# Altium PCB 400236.PcbDoc (part 5 of 5)
Units mm, origin at the board's own origin, x right, y up, seen from the top; angles counter-clockwise.
Board outline 136.53 x 63.5 mm, 4 copper layers (Top Layer, Mid-Layer 1, Mid-Layer 2, Bottom Layer), stack 1.505 mm thick; 340 components, 230 nets, 1369 pads, 1292 vias.
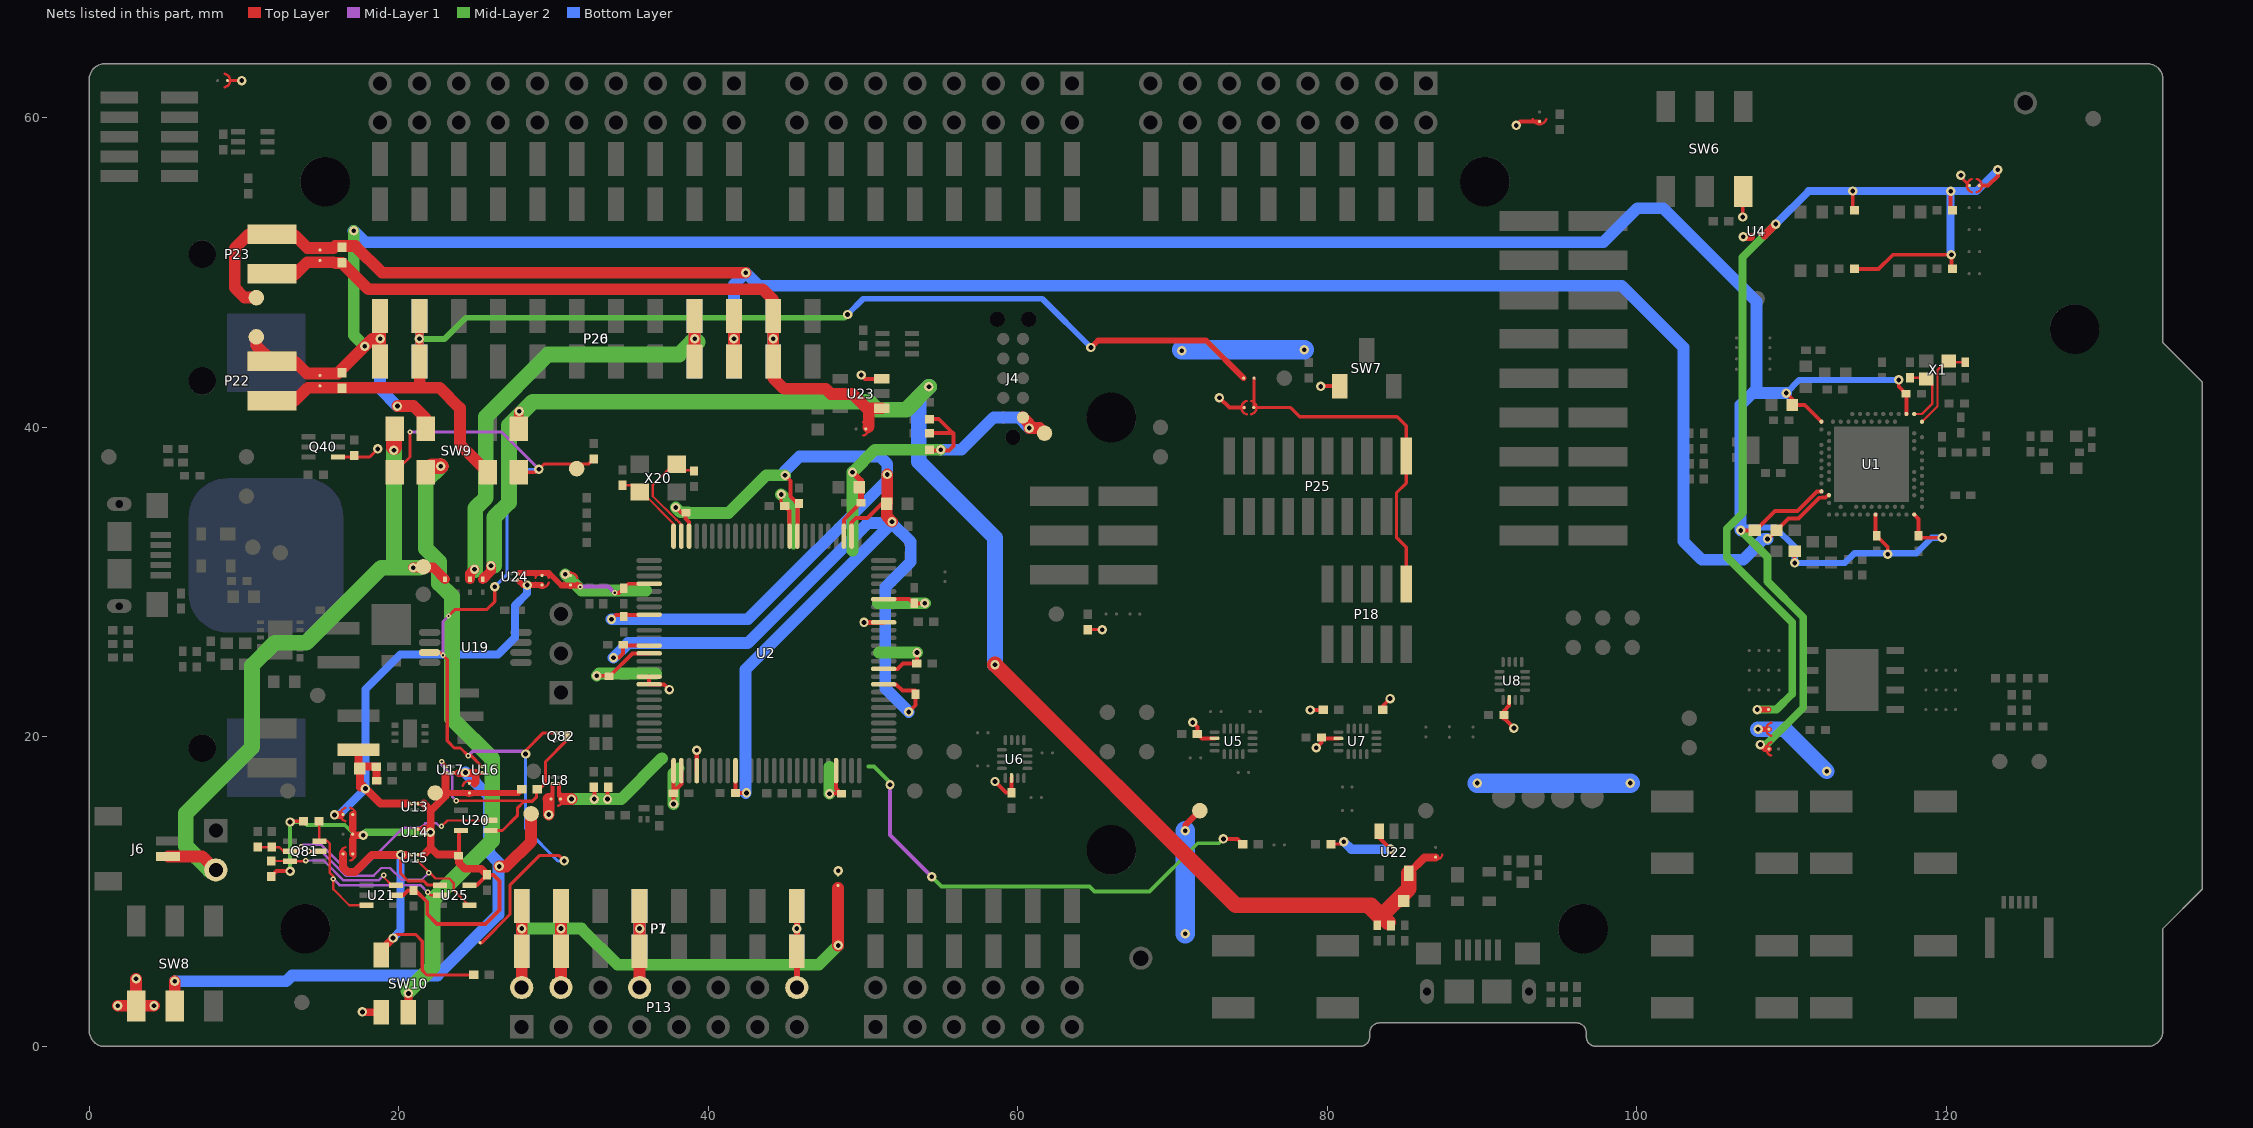
[diagram p7: the nets of this part, all layers, seen from the top]

## Via types
v1: diameter 0.61, hole 0.305, Top Layer to Bottom Layer, tented both sides, 1088 vias
v2: diameter 0.35, hole 0.15, Top Layer to Mid-Layer 1, tented both sides, 180 vias
v3: diameter 0.61, hole 0.305, Top Layer to Bottom Layer, 24 vias

## Nets (pads, with @x,y where several pads share a name; then routed paths per layer and width w, separated by ;. In a path a pad name is that pad's centre, name@x,y a point inside that pad or via, vN(x,y) a via of type N, cw(c..) or ccw(c..) an arc to the next point about the centre after c; other vN are vias at no path point) (continued)
VBUS_NRF': C68.2 C91.2 D81.2 FB60.2 SB80.2 SW9.8 U22.5 | length 100
  Top Layer w0.508: U22.5@85.253,11.198 86.272,12.217 SB80.2@86.995,12.217
  Top Layer w0.635: D81.2@25.425,30.186 25.959,30.719 v1(25.959,31.064) ; SW9.8@27.749,39.906 27.749,41.008 v1(27.788,41.046)
  Top Layer w1.016: v1(58.522,24.673) 74.076,9.119 82.634,9.119 ; 83.497,8.44 85.253,10.196 U22.5@85.253,11.198 ; 83.666,8.271 83.315,8.621 83.223,8.529 82.634,9.119 ; FB60.2@83.91,8.026 82.818,9.119 82.634,9.119
  Mid-Layer 2 w1.016: v1@26.162,31.064 26.162,34.188 27.127,35.154 27.127,40.132 28.651,41.656 50.368,41.656 50.876,41.148 52.781,41.148 v1(54.254,42.621)
  Bottom Layer w1.016: v1(54.254,42.621) 53.594,41.961 53.594,37.795 58.522,32.868 v1(58.522,24.673)
VCORE: C24.2 C26.2 C32.1 C33.2 C35.2 C39.2 C40.2 U2.9 U2.34 U2.52 U2.59 U2.73 U2.83 U2.87 | length 120.1
  Top Layer w0.254: v1(33.747,27.598) 34.038,27.889 U2.83@36.168,27.889 ; v1(33.874,25.121) 34.232,25.121 34.501,25.389 C24.2@34.501,25.959 ; C24.2@34.67,25.9 U2.87@36.179,25.9 ; v1(37.897,34.823) 38.227,34.493 C32.1@38.531,34.493 ; C32.1@38.555,34.493 C32.1@38.531,34.493 ; U2.73@38.754,32.975 38.754,33.89 38.531,34.113 C32.1@38.531,34.493 ; C33.2@41.75,16.383 v1(42.469,16.383) ; C33.2@41.754,16.4 U2.9@41.754,17.825 ; v1(44.958,36.906) 45.314,36.551 45.314,35.525 45.466,35.373 C35.2@45.808,35.031 ; U2.59@45.754,32.975 45.754,34.977 C35.2@45.808,35.031 ; C35.2@45.862,35.085 C35.2@45.808,35.031 ; U2.52@49.254,32.975 49.254,33.861 49.531,34.138 50.292,34.138 51.232,35.077 C39.2@51.522,35.077 ; U2.34@51.329,23.4 52.13,23.4 52.543,22.987 C40.2@53.338,22.987 ; v1(52.949,21.615) 53.381,22.047 C40.2@53.381,22.766 ; C40.2@53.363,22.827 C40.2@53.363,22.987
  Top Layer w0.762: v1(51.562,36.957) 51.562,35.117 C39.2@51.522,35.077 51.522,34.254 v1(51.867,33.909)
  Mid-Layer 2 w0.762: v1(37.897,34.823) 38.202,34.519 38.718,34.519 38.769,34.468 41.3,34.468 43.739,36.906 v1(44.958,36.906)
  Bottom Layer w0.762: v1(33.747,27.598) 42.558,27.598 51.562,36.601 v1(51.562,36.957) 51.562,37.643 51.079,38.125 45.898,38.125 44.958,37.186 v1(44.958,36.906) ; v1(33.874,25.121) 34.813,26.06 42.535,26.06 50.292,33.817 v1@51.867,33.817 ; v1@42.416,16.383 42.408,16.391 42.408,24.359 v1@51.867,33.817 ; v1(52.949,21.615) 51.425,23.139 51.425,29.671 53.076,31.322 53.076,32.608 v1@51.867,33.817
VDBG: P18.1 P25.1 SB59.1 SB60.1 | length 23
  Top Layer w0.203: SB60.1@75.268,43.18 75.268,41.607 75.268,41.3 SB59.1@75.242,41.275 75.417,41.275 77.622,41.275 78.207,40.691 84.506,40.691 85.09,40.107 P25.1@85.09,38.145 85.09,36.398 84.455,35.763 84.455,32.893 85.09,32.258 P18.1@85.09,29.89
VDD: C42.2 C45.2 C48.2 C50.2 Q40.4 R41.1 R52.1 R53.1 R54.2 R68.2 SB9.1 SB17.1 SB31.1 SB37.2 SB38.2 SB47.1 SB59.2 SW6.6 SW7.3 SW8.3 SW10.6 TP37.1 U4.A2 U5.14 U6.14 U7.14 U8.14 U18.A2 U22.3 U23.3 | length 69.9
  Top Layer w0.2: SB47.1@8.923,62.408 v1(9.855,62.408) ; Q40.4@16.063,38.085 18.121,38.085 v1(18.644,38.608) ; R68.2@64.516,26.932 v1(65.448,26.932) ; R54.2@80.231,13.081 80.899,13.081 v1(81.051,13.233) ; v1(120.929,56.286) 120.929,56.179 SB9.1@121.489,55.619
  Top Layer w0.254: 29.941,15.992 U18.A2@29.941,16.95 ; v1(49.886,43.383) 50.129,43.139 U23.3@51.21,43.139 ; v1(58.522,17.12) 59.241,16.4 C45.2@59.588,16.4 59.592,16.404 U6.14@59.592,17.342 ; v1(71.306,20.938) 71.306,20.922 71.595,20.633 C42.2@71.595,20.193 71.88,19.907 U5.14@72.707,19.907 ; v1(73.025,41.91) 73.66,41.275 74.443,41.275 SB59.2@74.618,41.275 ; v1@78.892,21.717 78.918,21.742 R53.1@79.739,21.742 ; v1(79.273,19.304) 79.621,19.652 C48.2@79.621,19.964 79.675,19.91 U7.14@80.715,19.91 ; v1(79.578,42.647) 79.597,42.665 SW7.3@80.8,42.665 ; U22.3@83.353,13.898 83.353,13.472 v1(84.074,12.751) ; R52.1@83.583,21.742 83.583,22.014 v1(84.049,22.479) v1@84.074,22.504 ; C50.2@91.389,21.192 91.508,21.311 C50.2@91.407,21.412 ; U8.14@91.748,22.397 91.737,22.386 91.737,22.021 91.407,21.69 C50.2@91.407,21.412 ; v1(92.05,20.574) 91.411,21.213 91.407,21.217 C50.2@91.407,21.412 ; v1(92.202,59.512) 92.448,59.759 SB31.1@93.701,59.759 ; v1(106.832,53.594) 106.832,54.948 SW6.6@106.869,54.984 ; 107.292,52.225 U4.A2@107.537,52.47
  Top Layer w0.381: v1(70.815,13.945) 70.815,14.3 TP37.1@71.755,15.24 ; v1(107.823,20.498) 108.352,20.498 SB17.1@108.527,20.498
  Top Layer w0.508: v1(17.653,2.235) 17.674,2.214 SW10.6@18.875,2.214 ; v1@106.858,52.299 107.366,52.299
  Top Layer w0.762: v1(1.848,2.628) v1(4.185,2.628) ; SW8.3@3.027,2.559 v1(3.027,4.369) ; 29.679,15.992 29.693,15.979 v1(29.693,14.986)
  Bottom Layer w0.61: v1(81.051,13.233) 81.534,12.751 v1(84.074,12.751)
  Bottom Layer w1.016: v1(107.823,20.498) 109.55,20.498 v1(112.268,17.78)
  Bottom Layer w1.27: v1@70.587,45.009 v1(78.511,45.009) ; v1(70.815,7.29) v1(70.815,13.945) ; v1(89.687,17.018) v1(99.568,17.018)
  other v1: 48.387,11.354 78.892,21.742 70.587,44.958 106.858,52.324
VDD_HV: C19.1 P20.10 P23.1 P26.10 R91.2 SB41.1 TP25.1 U1.Y2 | length 134.4
  Top Layer w0.25: v1@108.562,32.708 108.562,32.891 C19.1@109.014,33.342 109.783,34.112 110.447,34.112 111.793,35.458 111.989,35.458 112.179,35.459 112.337,35.617 U1.Y2@112.414,35.617
  Top Layer w0.762: TP25.1@10.795,48.387 10.033,48.387 9.398,49.022 9.398,51.562 10.306,52.47 P23.1@11.811,52.47 ; P23.1@11.811,52.4 13.284,52.4 14.089,51.595 15.781,51.595 15.9,51.714 17.196,51.714 18.923,49.987 v1(42.418,49.987) ; P20.10@41.656,44.255 v1(41.656,45.72) P20.10@41.656,47.185
  Bottom Layer w0.762: P26.10@41.656,44.255 v1(41.656,45.72) P26.10@41.656,47.185 41.656,49.225 v1(42.418,49.987) 43.256,49.149 99.023,49.149 102.997,45.175 102.997,32.639 104.188,31.448 106.863,31.448 108.206,32.791 v1(108.433,32.791)
VDD_HV': P20.11 P23.2 P26.11 R91.1 SB41.2 SB81.1 U23.1 | length 50.7
  Top Layer w0.762: P23.2@11.811,49.86 13.284,49.86 14.089,50.665 15.781,50.665 ; 15.91,50.613 16.349,50.613 18.042,48.92 43.51,48.92 44.196,48.235 P20.11@44.196,47.185 v1(44.196,45.72) P20.11@44.196,44.255 44.196,43.18 44.882,42.494 47.585,42.494 47.915,42.164 49.301,42.164 50.226,41.239 ; 50.333,40.016 50.368,40.051 50.368,41.097 50.226,41.239 ; U23.1@51.21,41.239 50.226,41.239
  Bottom Layer w0.762: P26.11@44.196,44.255 v1(44.196,45.72) P26.11@44.196,47.185
VDD_NRF: C6.1 C7.1 C8.1 C12.1 C14.1 L4.1 P20.1 P22.1 P26.1 R90.2 SB18.1 SB40.1 SW9.6 TP24.1 U1.A22 U1.AD14 U1.AD23 U1.B1 U1.W1 | length 200.6
  Top Layer w0.25: v1(106.714,33.342) C6.1@107.613,33.342 107.664,33.342 108.916,34.595 110.371,34.595 111.641,35.865 U1.W1@111.914,35.865 ; v1(109.639,42.217) 110.039,41.817 C14.1@110.039,41.444 110.837,41.444 U1.B1@111.914,40.367 ; v1@110.189,31.117 L4.1@110.189,31.992 ; C7.1@115.414,32.992 U1.AD14@115.414,34.367 ; C7.1@115.49,32.992 116.205,32.277 v1@116.205,32.004 ; v1(116.915,43.067) 116.915,42.641 C12.1@117.389,42.167 117.414,42.142 U1.A22@117.414,40.867 ; U1.AD23@117.914,34.367 118.189,34.092 C8.1@118.189,32.992 118.313,32.868 v1(119.71,32.868)
  Top Layer w0.381: v1(107.975,19.507) 108.255,19.228 108.352,19.228 SB18.1@108.527,19.228
  Top Layer w0.762: TP24.1@10.795,45.847 10.795,45.286 P22.1@11.811,44.27 13.284,44.27 14.064,43.49 16.058,43.49 v1(17.805,45.237) 18.288,45.72 v1(18.796,45.72) ; P20.1@18.796,44.255 v1(18.796,45.72) ; P20.1@18.796,47.185 v1(18.796,45.72) ; v1(19.914,41.377) 20.955,41.377 21.749,40.583 SW9.6@21.749,39.906
  Mid-Layer 2 w0.508: v1(106.714,33.342) 108.433,31.623 108.433,30.048 110.744,27.737 110.744,21.895 108.356,19.507 v1(107.975,19.507)
  Mid-Layer 2 w0.762: v1@17.094,52.685 17.094,45.949 v1(17.805,45.237)
  Bottom Layer w0.4: v1(106.714,33.342) 106.894,33.522 108.946,33.522 110.189,32.28 v1@110.189,31.318 ; v1(109.639,42.217) 110.489,43.067 v1@116.839,43.067 ; v1(110.189,31.244) 113.427,31.244 114.054,31.871 118.054,31.871 119.05,32.868 v1(119.71,32.868)
  Bottom Layer w0.762: v1(17.084,52.71) 17.838,51.956 97.828,51.956 100.025,54.153 101.702,54.153 107.729,48.126 107.729,42.493 ; P26.1@18.796,47.185 v1(18.796,45.72) P26.1@18.796,44.255 18.796,42.494 v1(19.914,41.377) ; v1(106.714,33.342) 106.692,33.364 106.692,41.456 107.729,42.493 ; v1(109.639,42.217) 107.729,42.217 107.729,42.493
  other v1: 116.205,31.801
VDD_NRF': P20.2 P22.2 P26.2 R90.1 SB40.2 SB60.2 SW9.3 | length 82.3
  Top Layer w0.381: v1(64.719,45.161) 65.176,45.618 72.154,45.618 SB60.2@74.592,43.18
  Top Layer w0.508: P20.2@21.336,44.255 v1(21.336,45.72) P20.2@21.336,47.185
  Top Layer w0.762: P22.2@11.811,41.73 13.284,41.73 14.115,42.561 21.361,42.561 ; P20.2@21.336,44.255 21.361,44.23 21.361,42.561 ; SW9.3@25.749,37.106 23.952,38.903 23.952,41.25 22.641,42.561 21.361,42.561
  Mid-Layer 2 w0.381: v1(21.336,45.72) 22.963,45.72 24.325,47.081 48.783,47.081 v1(48.997,47.295)
  Bottom Layer w0.381: v1(48.997,47.295) 50.013,48.311 61.57,48.311 v1(64.719,45.161)
  Bottom Layer w0.508: P26.2@21.336,44.255 v1(21.336,45.72) P26.2@21.336,47.185
VDD_NRF_SENSE: Q82.1 R88.1 SB58.1 SW9.1 SW9.4 TP33.1 U16.B2 U19.3 | length 67.2
  Top Layer w0.203: SW9.1@19.749,37.106 20.726,38.084 v2(20.726,39.7) ; U19.3@21.993,25.456 22.677,25.456 v2(22.86,25.273) 23.129,25.004 23.129,19.747 23.591,19.284 23.987,19.284 v2(24.486,18.786) 24.673,18.786 U16.B2@25.378,18.082 ; v2(23.216,27.813) 23.647,28.245 25.705,28.245 26.2,28.74 v1(26.2,29.705) ; SB58.1@25.255,6.706 25.356,6.706 27.178,8.528 27.178,10.408 29.117,12.347 30.325,12.347 v1(30.683,11.989) ; SW9.4@27.749,37.106 28.877,37.106 v1(29.058,37.287) 29.413,37.643 32.275,37.643 R88.1@32.588,37.956 ; v1(28.194,18.898) 28.194,19.126 29.333,20.266 Q82.1@30.155,20.266
  Mid-Layer 1 w0.203: v2(20.726,39.7) 26.645,39.7 v1(29.058,37.287) ; v2(22.86,25.273) 22.86,27.457 v2(23.216,27.813) ; v2(24.486,18.786) 24.775,19.075 28.016,19.075 v1(28.194,18.898)
  Bottom Layer w0.203: v1(26.2,29.705) 27,30.505 27,36.297 27.991,37.287 v1(29.058,37.287) ; v1(28.194,18.898) 28.194,14.078 30.283,11.989 v1(30.683,11.989)
VDD_PER: R47.2 R48.2 R50.2 R51.2 SB9.2 SB16.1 U4.A1 | length 71
  Top Layer w0.25: U4.A1@107.95,52.476 108.235,52.476
  Top Layer w0.254: R50.2@113.94,50.353 R50.2@114.059,50.234 115.614,50.234 116.535,51.156 v1(120.316,51.156) 120.316,50.302 R51.2@120.384,50.234 ; 113.94,54.443 v1(113.94,55.271) 113.94,54.163 R47.2@114.059,54.044 ; v1(120.265,55.264) 120.265,54.163 R48.2@120.384,54.044 ; SB9.2@122.114,55.619 122.289,55.619 122.684,55.619 123.317,56.252 v1(123.317,56.642)
  Top Layer w0.381: v1(107.772,21.768) SB16.1@108.501,21.768
  Top Layer w0.508: 108.229,52.4 v1(108.966,53.137)
  Mid-Layer 2 w0.508: v1(107.772,21.768) 109.017,21.768 110.033,22.784 110.033,27.395 105.804,31.623 105.804,33.44 106.819,34.455 106.819,50.99 v1(108.966,53.137)
  Bottom Layer w0.508: v1(108.966,53.137) 111.093,55.264 v1(120.265,55.264) ; v1@120.265,51.156 v1(120.265,55.264) ; v1(123.317,56.642) 121.939,55.264 v1(120.265,55.264)
VDD_SAM: C25.2 C31.2 C34.2 C36.2 C37.2 C38.2 C41.2 C43.2 J4.1 R20.2 R21.2 R49.2 R64.2 R65.2 R66.2 SB37.1 SB49.1 TP35.1 U2.1 U2.2 U2.4 U2.22 U2.36 U2.42 U2.45 U2.53 U2.60 U2.88 U2.91 U2.92 U18.A1 | length 117.8
  Top Layer w0.152: U2.88@36.179,25.4 U2.88@36.347,25.4
  Top Layer w0.203: v1(44.704,35.67) 44.704,35.161 C34.2@44.94,34.925
  Top Layer w0.254: 30.347,16.196 30.347,16.407 U18.A1@30.347,16.958 ; v1@32.636,16.002 R20.2@32.636,16.747 ; v1(32.791,23.952) 33.645,23.952 35.093,25.4 U2.88@36.179,25.4 ; v1(33.486,15.985) R21.2@33.486,16.747 ; U2.91@36.179,23.9 U2.92@36.179,23.4 37.151,23.4 v1(37.489,23.062) ; U2.1@37.754,17.825 37.754,16.358 37.756,16.356 v1(37.756,15.666) ; C31.2@37.76,16.459 38.254,16.954 U2.2@38.254,17.825 ; C34.2@44.94,34.925 45.254,34.611 U2.60@45.254,32.975 ; v1(47.828,16.332) C36.2@48.598,16.332 48.254,16.676 U2.22@48.254,17.825 ; U2.53@48.754,32.975 48.754,34.032 49.017,34.295 49.763,35.041 C37.2@49.763,35.128 ; U2.36@51.329,24.4 52.228,24.4 52.568,24.74 C41.2@53.465,24.74 53.482,24.757 v1(53.482,25.451) ; U2.42@51.329,27.4 U2.42@51.348,27.381 ; U2.45@51.329,28.9 52.98,28.9 C43.2@53.17,28.71 ; C43.2@53.305,28.634 v1(53.99,28.634) ; R64.2@54.293,38.557 R64.2@54.297,38.557 54.297,38.506 55.55,38.506 55.829,38.786 55.829,39.599 55.804,39.624 ; R65.2@54.293,39.624 R65.2@54.297,39.624 55.804,39.624 ; R66.2@54.297,40.538 54.889,40.538 55.804,39.624 ; v1(73.279,13.411) 74.201,13.411 R49.2@74.532,13.081
  Top Layer w0.305: U2.4@39.254,17.825 v1(39.254,19.146) ; v1(50.059,27.4) U2.42@51.329,27.4
  Top Layer w0.381: v1(49.317,37.109) 49.868,36.559 C37.2@49.868,35.128
  Top Layer w0.762: 30.678,15.992 v1(31.16,15.992) ; J4.1@60.325,40.64 60.731,40.234 v1(60.731,39.954) 61.417,39.954 TP35.1@61.747,39.624
  Mid-Layer 1 w0.254: v1(51.74,16.916) 51.74,13.665 v1(54.432,10.973)
  Mid-Layer 2 w0.254: 50.343,18.085 50.698,18.085 51.74,17.043 v1(51.74,16.916) ; v1(54.432,10.973) 55.07,10.335 64.625,10.335 64.94,10.02 68.513,10.02 71.622,13.129 72.997,13.129 v1(73.279,13.411)
  Mid-Layer 2 w0.762: v1(30.759,30.505) 31.801,29.464 35.992,29.464 ; v1@31.16,15.985 v1(33.486,15.985) 34.377,15.985 37.004,18.612 ; v1(32.791,23.952) 32.937,24.098 36.623,24.098 ; v1(37.756,15.666) 37.756,17.639 38.075,17.958 ; v1(44.704,35.67) 45.513,34.861 45.513,32.48 ; v1(47.828,16.332) 47.828,18.053 ; 49.317,32.045 v1(49.317,37.109) 50.765,38.557 v1(55.008,38.557) ; 50.948,28.634 v1(53.99,28.634) ; 51.024,25.451 v1(53.482,25.451)
  Bottom Layer w0.762: v1(55.008,38.557) 56.354,38.557 58.437,40.64 60.046,40.64 v1(60.731,39.954)
  other v1: 32.636,15.985
VDD_UTMI: C28.2 SB48.1 SB49.2 U2.79 U24.A1 | length 9.2
  Top Layer w0.254: v2@31.681,29.787 v2@31.775,29.693 ; v2(33.95,29.312) 34.237,29.312 C28.2@34.534,29.608 ; C28.2@34.542,29.616 34.826,29.9 U2.79@36.179,29.9
  Top Layer w0.381: 27.788,30.596 29.704,30.596 30.513,29.787 30.757,29.787 31.422,29.787 v2@31.681,29.787
  Mid-Layer 1 w0.254: v2@31.725,29.718 33.543,29.718 v2(33.95,29.312)
  other v2: 31.725,29.693
VEXT: R92.1 SB36.2 SW10.3 U15.A1 U25.1 | length 24.1
  Top Layer w0.203: SW10.3@18.875,5.914 SW10.3@18.875,6.251 ; 19.84,7.241 21.08,7.241 21.514,6.807 21.514,4.928 21.819,4.623 R92.1@24.849,4.623 ; v1(20.117,12.382) 20.117,11.176 20.599,10.693 21.615,10.693 21.88,10.429 U25.1@22.672,10.429
  Top Layer w0.245: 20.498,12.392 U15.A1@20.831,12.392
  Top Layer w0.508: SB36.2@16.393,12.446 16.393,12.183 16.403,12.173 16.403,12.159 ; 16.403,12.159 16.403,11.563 16.688,11.278 17.17,11.278 18.275,12.382 v1(20.117,12.382) 20.488,12.382 ; SW10.3@18.875,6.251 v1(19.634,7.01)
  Bottom Layer w0.508: v1(19.634,7.01) 20.117,7.493 v1(20.117,12.382)
VEXT_EN: Q81.5 U15.B2 U25.4 | length 14.5
  Top Layer w0.152: v2(14.199,12.624) Q81.5@14.869,12.624 ; U15.B2@21.231,11.992 22.367,10.856 23.256,10.856 23.546,10.566 23.546,10.104 U25.4@24.521,9.129
  Mid-Layer 1 w0.152: v2(14.199,12.624) 14.979,12.624 16.564,11.039 18.379,11.039 18.87,11.529 19.433,11.529 20.193,10.77 21.488,10.77 v2(21.946,11.227)
VEXT_EN_INV: Q81.3 R89.2 U21.6 | length 9.1
  Top Layer w0.152: R89.2@11.76,11.981 12.962,11.981 Q81.3@12.969,11.974 13.955,11.974 v2(13.995,12.014) ; v2(19.025,11.074) 19.025,10.937 19.533,10.429 U21.6@19.822,10.429
  Mid-Layer 1 w0.152: v2(13.995,12.014) 15.157,12.014 16.437,10.734 18.684,10.734 v2(19.025,11.074)
VIN: P1.8 P7.8 P13.16 | length 8.2
  Top Layer w0.381: P13.16@45.72,3.81 P1.8@45.72,6.155 v1(45.72,7.62) P1.8@45.72,9.085
  Bottom Layer w0.381: P7.8@45.72,6.155 v1(45.72,7.62) P7.8@45.72,9.085
VIN3-5V: D83.2 P20.9 P26.9 | length 32.5
  Top Layer w0.635: D83.2@24.613,30.186 24.613,30.556 v1(24.892,30.836)
  Top Layer w0.762: P20.9@39.116,44.255 v1(39.116,45.72) P20.9@39.116,47.185
  Mid-Layer 2 w1.016: v1@24.943,30.785 24.943,34.773 25.629,35.458 25.629,40.691 29.642,44.704 38.1,44.704 38.913,45.517 v1@39.319,45.517
  Bottom Layer w0.762: P26.9@39.116,44.255 v1(39.116,45.72) P26.9@39.116,47.185
VIO: P1.1 P1.2 P1.4 P7.1 P7.2 P7.4 P13.2 P13.4 P13.8 SB38.1 | length 54.1
  Top Layer w0.381: v1(35.56,7.62) P1.4@35.56,9.085
  Top Layer w0.762: P13.2@27.94,3.81 P1.1@27.94,6.155 P1.1@27.94,9.085 ; P13.4@30.48,3.81 v1(30.48,7.62) P1.2@30.48,9.085 ; P13.8@35.56,3.81 P1.4@35.56,9.085 ; v1(48.387,6.528) 48.387,10.236
  Mid-Layer 2 w0.762: v1(27.94,7.62) v1(30.48,7.62) 31.801,7.62 34.138,5.283 35.535,5.283 ; v1(35.56,7.62) 35.56,5.309 35.535,5.283 ; v1(48.387,6.528) 47.142,5.283 35.535,5.283
  Bottom Layer w0.762: P7.1@27.94,6.155 P7.1@27.94,9.085 ; P7.2@30.48,6.155 P7.2@30.48,9.085 ; P7.4@35.56,6.155 P7.4@35.56,9.085
VLI-ION: D82.2 J6.2 P27.2 SW9.5 TP31.1 | length 44.1
  Top Layer w0.635: v1(20.93,30.937) 22.235,30.937 D82.2@22.987,30.186
  Top Layer w0.762: J6.2@5.105,12.276 7.307,12.276 P27.2@8.179,11.405
  Top Layer w1.016: v1@19.685,38.735 19.685,39.842 SW9.5@19.749,39.906
  Mid-Layer 2 w1.016: P27.2@8.179,11.405 7.772,11.405 6.236,12.941 6.236,15.05 10.516,19.329 10.516,24.613 11.989,26.086 14.021,26.086 18.872,30.937 19.685,30.937 ; v1(19.685,38.532) 19.685,30.937 ; 21.336,30.937 v1(20.93,30.937) 19.685,30.937
VREG: C87.2 C88.2 L81.2 R82.2 SB34.2 SB48.2 U13.A1 U24.A2 | length 34.2
  Top Layer w0.245: 20.498,15.694 U13.A1@20.831,15.694
  Top Layer w0.381: 27.788,30.062 27.774,30.062 28.024,29.812 v1(28.296,29.812) 28.908,29.812 SB48.2@29.235,29.812
  Top Layer w0.508: v1(15.85,14.961) 16.228,14.961 16.23,14.959 ; L81.2@17.399,19.093 17.399,18.049 C88.2@17.49,17.958 ; 17.49,16.739 C88.2@17.49,17.958 ; 17.49,17.018 v1(17.845,16.662) 18.814,15.694 20.498,15.694 ; C87.2@18.575,17.17 18.55,17.196 R82.2@18.55,18.085 17.617,18.085 C88.2@17.49,17.958
  Bottom Layer w0.508: v1(15.85,14.961) 16.144,14.961 v1(17.845,16.662) 17.845,23.078 20.091,25.324 26.406,25.324 27.508,26.426 27.508,28.499 28.296,29.286 v1(28.296,29.812)
VREG_EN: Q81.2 R83.2 R85.1 U20.2 | length 17.5
  Top Layer w0.152: R85.1@10.893,12.886 10.893,12.87 12.294,12.87 12.541,12.624 Q81.2@12.969,12.624 13.411,12.624 v2(13.691,12.903) ; v2(22.758,14.224) 23.139,14.605 U20.2@25.918,14.605
  Mid-Layer 1 w0.152: v2(13.691,12.903) 13.812,13.025 15.008,13.025 16.69,11.343 17.504,11.343 20.283,14.122 21.412,14.122 21.717,14.427 22.428,14.427 22.631,14.224 v2(22.758,14.224)
VREG_EN_INV: Q81.6 R86.2 U21.3 U25.2 | length 15
  Top Layer w0.152: R86.2@14.851,14.554 14.851,13.292 15.359,13.292 15.548,13.103 15.548,11.205 15.773,10.98 v2(15.773,10.82) 15.773,10.16 16.804,9.129 U21.3@17.922,9.129 ; v2(21.869,9.957) 22.047,9.779 U25.2@22.672,9.779
  Mid-Layer 1 w0.152: v2(15.773,10.82) 16.165,10.429 21.397,10.429 v2(21.869,9.957)
VSENSE_SW_OUT: SB39.1 SW8.2 TP30.1 U16.A2 U17.A1 | length 41.3
  Top Layer w0.25: U17.A1@23.517,17.682 23.876,17.682 ; 24.971,17.682 U16.A2@25.378,17.682
  Top Layer w0.508: 23.876,17.682 24.971,17.682 24.971,17.08 24.892,17
  Top Layer w0.762: SW8.2@5.528,2.609 v1(5.528,4.216) ; v1(26.492,11.633) 26.949,11.633 28.55,13.233 TP30.1@28.55,14.859
  Bottom Layer w0.762: v1(5.528,4.216) 12.727,4.216 13.106,4.596 22.503,4.596 26.441,8.534 26.441,11.909 25.829,12.521 25.829,16.182 v1(24.308,17.704)
VSRC_NRF: SW9.2 SW10.5 | length 40.6
  Top Layer w0.508: SW10.5@20.625,2.214 v1(20.625,3.429)
  Top Layer w1.016: SW9.2@21.749,37.106 22.133,37.49 v1(22.708,37.49)
  Mid-Layer 2 w1.016: v1@20.625,3.607 22.174,5.156 22.174,9.449 26.035,13.31 26.035,18.593 23.444,21.184 23.444,29.083 22.606,29.921 22.606,31.32 21.749,32.177 21.749,36.532 v1(22.708,37.49)
VSUPPLY: C89.2 C90.2 C93.2 R86.1 R87.1 R89.1 SB34.1 SB35.1 SB36.1 SB39.2 TP29.1 U13.A2 U14.A2 U15.A2 U17.A2 U20.5 U21.5 U25.5 | length 49.4
  Top Layer w0.245: U15.A2@21.231,12.392 21.615,12.392 ; U14.A2@21.231,14.043 21.615,14.043 ; U13.A2@21.231,15.694 21.641,15.694
  Top Layer w0.254: R89.1@11.76,10.981 12.108,11.328 v1(12.979,11.328) ; v1(12.979,14.503) 13.03,14.554 R86.1@13.851,14.554 ; U21.5@19.822,9.779 20.295,9.779 20.591,10.076 C89.2@20.955,10.076 21.09,10.076 21.842,9.324 21.842,8.562 22.481,7.922 25.601,7.922 26.497,8.819 26.497,10.688 26.111,11.074 25.722,11.074 C90.2@25.705,11.092 25.042,10.429 U25.5@24.521,10.429 ; C93.2@23.884,12.395 23.884,13.821 U20.5@24.018,13.955
  Top Layer w0.381: 23.012,16.386 23.012,16.391 23.937,16.391 23.942,16.386 24.201,16.386 24.922,16.386 27.722,16.386 R87.1@27.948,16.612
  Top Layer w0.457: SB36.1@17.028,12.446 17.028,13.365 ; 17.028,14.067 SB34.1@17.028,14.986
  Top Layer w0.508: SB35.1@17.091,13.65 v1(17.704,13.65) ; 21.615,12.392 22.07,12.846 ; 21.615,14.043 22.067,14.043 v1@22.07,14.046 ; 21.641,15.694 21.641,15.666 22.07,15.237 ; 23.012,16.386 23.012,16.18 22.07,15.237 ; 23.012,16.391 23.012,17.501 ; C90.2@25.705,11.092 25.316,11.481 24.282,11.481 23.884,11.879 23.884,12.395 22.521,12.395 22.07,12.846 ; 22.07,12.846 v1@22.07,14.046 ; v1@22.07,14.046 22.07,15.237